# Altium PCB PCB.PcbDoc (part 4 of 4)
Units mm, origin at the board's own origin, x right, y up, seen from the top; angles counter-clockwise.
Board outline 71 x 50 mm, 6 copper layers (Top Layer, Int1 (GND), Int2 (Sign), Int3 (Sign), Int4 (PWR), Bottom Layer), stack 1.146 mm thick; 315 components, 294 nets, 1506 pads, 503 vias.
Unrouted connection lines stored in the file: 670.
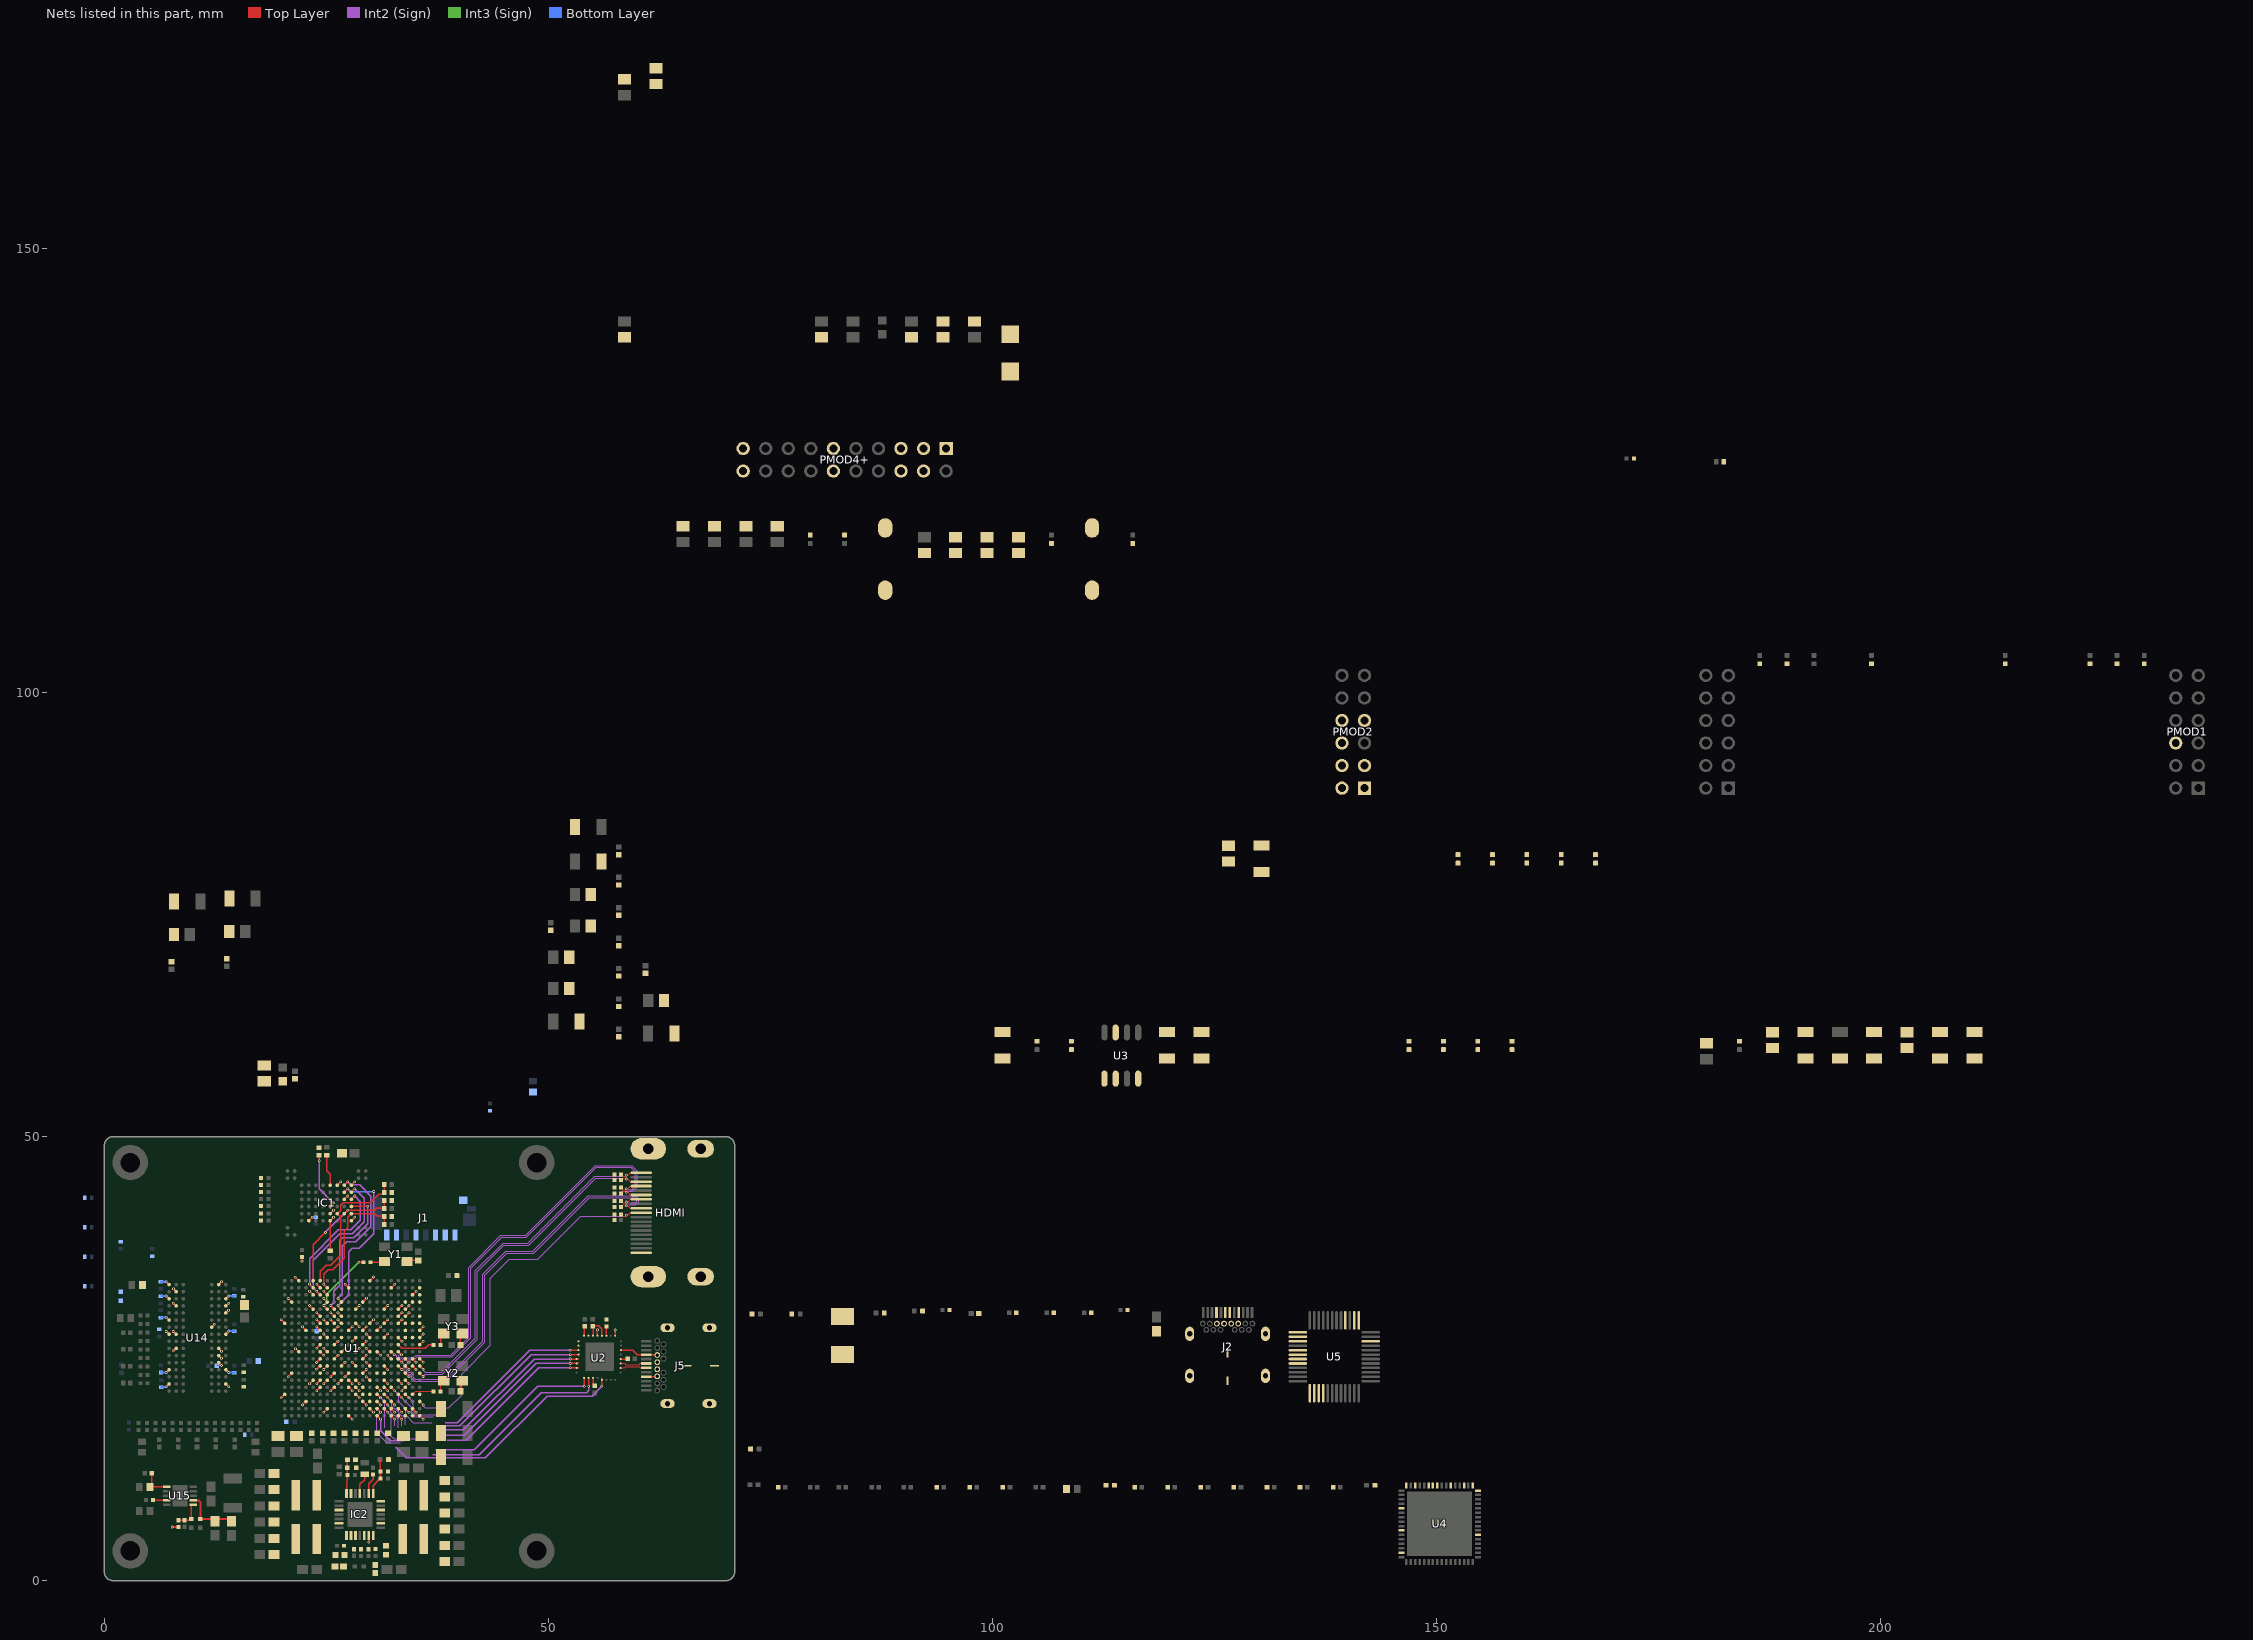
[diagram p8: the nets of this part, all layers, seen from the top]

## Via types
v1: diameter 0.3, hole 0.15, Top Layer to Bottom Layer, 451 vias
v2: diameter 0.6, hole 0.4, Top Layer to Bottom Layer, tented both sides, 32 vias
v3: diameter 0.5, hole 0.3, Top Layer to Bottom Layer, 16 vias
v4: diameter 0.5, hole 0.2, Top Layer to Bottom Layer, 4 vias

## Nets (pads, with @x,y where several pads share a name; then routed paths per layer and width w, separated by ;. In a path a pad name is that pad's centre, name@x,y a point inside that pad or via, vN(x,y) a via of type N, cw(c..) or ccw(c..) an arc to the next point about the centre after c; other vN are vias at no path point) (continued)
HDMI_CLK_P: HDMI.10 R45.1 U1.V20 | length 40.9
  Top Layer w0.092: R45.1@58.19,41.26 58.4,41.05 58.7,41.05 v1(58.79,41.14) 58.934,41.14 59.234,41.44 HDMI.10@60.48,41.44
  Top Layer w0.15: U1.V20@35.52,20.18 v1(35.92,19.78)
  Int2 (Sign) w0.082: v1(35.92,19.78) 35.92,19.72 36.17,19.47 38.81,19.47 40.241,20.901 40.241,23.261 43.501,26.521 43.501,34.076 45.605,36.18 48.805,36.18 53.669,41.044 58.694,41.044 v1(58.79,41.14)
HDMI_D0_N: HDMI.9 R36.1 U1.M18 | length 46
  Top Layer w0.092: R36.1@58.19,42.11 58.41,42.33 58.69,42.33 58.776,42.244 v1(58.776,42.235) ; v1@58.78,42.24 58.934,42.24 59.234,41.94 HDMI.9@60.48,41.94
  Top Layer w0.15: U1.M18@33.92,24.98 v1(34.32,24.58)
  Int2 (Sign) w0.082: v1(34.32,24.58) 34.264,24.58 34.024,24.34 34.024,23.675 34.22,23.48 34.538,23.48 34.83,23.187 34.83,22.884 35.034,22.68 38.37,22.68 42.63,26.94 42.63,34.505 45.224,37.099 48.279,37.099 54.519,43.339 59.826,43.339 60.179,42.986 60.179,42.639 59.873,42.333 58.874,42.333 v1(58.776,42.235)
HDMI_D0_P: HDMI.7 R35.1 U1.M17 | length 45.6
  Top Layer w0.092: R35.1@58.19,42.77 58.41,42.55 58.69,42.55 v1(58.78,42.64) 58.934,42.64 59.234,42.94 HDMI.7@60.48,42.94
  Top Layer w0.15: U1.M17@33.12,24.98 v1(33.52,24.58)
  Int2 (Sign) w0.082: v1(33.52,24.58) 33.575,24.58 33.815,24.34 33.815,23.589 34.133,23.271 34.451,23.271 34.622,23.101 34.622,22.797 34.948,22.471 35.39,22.471 35.4,22.481 36.03,22.481 36.04,22.471 38.456,22.471 42.839,26.854 42.839,34.419 45.31,36.89 48.365,36.89 54.605,43.13 59.74,43.13 59.97,42.9 59.97,42.725 59.787,42.542 58.878,42.542 v1(58.78,42.64)
HDMI_D1_N: HDMI.6 R41.1 U1.L17 | length 47.7
  Top Layer w0.092: R41.1@58.19,43.61 58.41,43.83 58.69,43.83 v1(58.78,43.74) 58.78,43.82 58.79,43.83 58.843,43.83 59.234,43.44 HDMI.6@60.48,43.44
  Top Layer w0.15: U1.L17@33.12,25.78 v1(33.471,25.429)
  Int2 (Sign) w0.082: v1(33.471,25.429) 33.249,25.429 33.15,25.33 33.15,25.1 33.161,25.089 34.824,25.089 35.145,25.41 39.04,25.41 41.061,27.431 41.061,35.266 44.685,38.89 47.465,38.89 55.324,46.749 59.396,46.749 60.039,46.106 60.039,44.384 59.491,43.836 58.876,43.836 v1(58.78,43.74)
HDMI_D1_P: HDMI.4 R39.1 U1.L16 | length 47.3
  Top Layer w0.092: R39.1@58.19,44.26 58.4,44.05 58.69,44.05 v1(58.78,44.14) 58.78,44.06 58.79,44.05 58.843,44.05 59.234,44.44 HDMI.4@60.48,44.44
  Top Layer w0.15: U1.L16@32.32,25.78 v1(32.671,25.429)
  Int2 (Sign) w0.082: v1(32.671,25.429) 32.842,25.429 32.941,25.33 32.941,25.014 33.074,24.881 34.911,24.881 35.231,25.201 39.126,25.201 41.27,27.345 41.27,35.18 44.771,38.681 47.551,38.681 55.41,46.54 59.31,46.54 59.83,46.02 59.83,44.47 59.404,44.044 58.876,44.044 v1(58.78,44.14)
HDMI_D2_N: HDMI.3 R44.1 U1.P20 | length 39.7
  Top Layer w0.092: R44.1@58.19,45.11 58.41,45.33 58.7,45.33 v1(58.79,45.24) 58.934,45.24 59.234,44.94 HDMI.3@60.48,44.94
  Top Layer w0.15: U1.P20@35.52,23.38 v1(35.91,22.99)
  Int2 (Sign) w0.082: v1(35.91,22.99) 35.91,23.011 36.16,23.261 38.046,23.261 42,27.215 42,34.791 45,37.791 47.791,37.791 55.336,45.336 58.694,45.336 v1(58.79,45.24)
HDMI_D2_P: HDMI.1 R43.1 U1.N20 | length 39.8
  Top Layer w0.092: R43.1@58.19,45.76 58.4,45.55 58.7,45.55 v1(58.79,45.64) 58.934,45.64 59.234,45.94 HDMI.1@60.48,45.94
  Top Layer w0.15: U1.N20@35.52,24.18 v1(35.91,23.79)
  Int2 (Sign) w0.082: v1(35.91,23.79) 35.91,23.72 36.16,23.47 37.96,23.47 41.791,27.301 41.791,34.878 44.914,38 47.705,38 55.249,45.544 58.694,45.544 v1(58.79,45.64)
IO0_0: IC1.H4 R129.1 R132.2 U1.A6 | length 16.5
  Top Layer w0.15: U1.A6@24.32,33.78 24.32,34.86 24.98,35.52 25.517,35.52 26.62,36.623 26.62,40.96 IC1.H4@26.24,41.34 26.62,41.72 26.62,42.257 26.913,42.55 29.95,42.55 30.92,43.52 31.325,43.52 R129.1@31.525,43.72 R132.2@31.525,44.62
IO1: PMOD2.4
IO1_0: IC1.J4 R71.1 R72.2 U1.A5 | length 15.2
  Top Layer w0.15: U1.A5@23.52,33.78 23.52,37.825 v1(24.915,39.22) ; IC1.J4@27.04,41.335 IC1.J4@27.04,41.34 27.42,41.72 30.42,41.72 30.62,41.92 R72.2@31.525,41.92 R71.1@31.525,42.82
  Int2 (Sign) w0.15: v1(24.915,39.22) v1(27.42,41.725)
IO2: PMOD2.2
IO2_0: IC1.K4 R131.1 R134.2 U1.B7 | length 14.8
  Top Layer w0.15: U1.B7@25.12,32.98 v1(24.72,33.38) 24.72,34.5 25.255,35.035 25.715,35.035 27.01,36.33 27.01,39.35 27.43,39.77 27.43,40.93 IC1.K4@27.84,41.34 30.49,41.34 30.81,41.02 R131.1@31.525,41.02 R134.2@31.525,40.12
IO3: PMOD2.1
IO3_0: IC1.K5 U1.E8 | length 16.1
  Top Layer w0.15: v1(25.52,30.98) U1.E8@25.92,30.58 ; IC1.K5@27.84,42.14 27.855,42.155 29.645,42.155 v1(29.66,42.17)
  Int2 (Sign) w0.15: v1(25.52,30.98) 25.84,31.3 25.84,32.606 26.505,33.271 26.505,38.365 26.78,38.64 28.12,38.64 29.66,40.18 v1(29.66,42.17)
IO4: PMOD2.3
IO4_0: IC1.K6 U1.B5 | length 14.5
  Top Layer w0.15: v1(23.12,33.38) U1.B5@23.52,32.98 ; IC1.K6@27.84,42.94 27.84,42.945 28.22,43.325 v1(28.22,43.33)
  Int2 (Sign) w0.15: v1(23.12,33.38) 23.12,36.27 26.38,39.53 27.79,39.53 28.86,40.6 28.86,42.69 v1(28.22,43.33)
IO5: PMOD2.5
IO5: U1.G18
IO5_0: IC1.J7 U1.E9 | length 19.1
  Top Layer w0.15: v1(26.32,30.98) U1.E9@26.72,30.58 ; IC1.J7@27.04,43.735 IC1.J7@27.04,43.74 27.42,44.12 v1(27.42,44.125)
  Int2 (Sign) w0.15: v1(26.32,30.98) 27.54,32.2 27.54,37.02 27.94,37.42 28.71,37.42 30.35,39.06 v1(30.35,43.82)
  Bottom Layer w0.15: v1(27.42,44.125) 27.745,43.8 30.33,43.8 v1(30.35,43.82)
IO6: U1.E19
IO6: PMOD2.7
IO6_0: IC1.K7 U1.C6 | length 16.5
  Top Layer w0.15: v1(23.92,32.58) U1.C6@24.32,32.18 ; IC1.K7@27.84,43.735 IC1.K7@27.84,43.74 28.22,44.12 v1(28.22,44.125)
  Int2 (Sign) w0.15: v1(23.92,32.58) 23.53,32.97 23.53,36.09 26.52,39.08 27.96,39.08 29.295,40.415 29.295,43.05 v1(28.22,44.125)
IO7_0: IC1.J8 U1.D9 | length 18.1
  Top Layer w0.15: v1(26.32,31.78) U1.D9@26.72,31.38 ; IC1.J8@27.04,44.535 IC1.J8@27.04,44.54 27.42,44.92 v1(27.42,44.925)
  Int2 (Sign) w0.15: v1(26.32,31.78) 26.83,32.29 26.83,37.69 27.29,38.15 28.34,38.15 30.03,39.84 30.03,43.31 28.77,44.57 27.775,44.57 v1(27.42,44.925)
JTAG_USBD_N: J2.A6 J2.B7 U5.6
JTAG_USBD_P: J2.A7 J2.B6 U5.7
LED0: LED0.A PMOD4+.2
LED0: U1.U20
LED1: LED1.A PMOD4+.1
LED2: LED2.A PMOD4+.4
LED3: U1.V17
LED3: LED3.A PMOD4+.3
NetBTN0_2: BTN0.2 R63.1 R65.2
NetBTN1_2: BTN1.2 R64.1 R66.2
NetC5_2: C5.2 U1.L9 | length 0.6
  Top Layer w0.15: U1.L9@26.73,25.79 v1(27.13,26.19)
NetC6_2: C6.2 J5.Shell R7.2
NetC20_1: C20.1 L2.1 U4.48
NetC21_1: C21.1 L2.2 U4.62
NetC22_1: C22.1 C23.1 C143.1 U4.15 U4.38
NetC39_1: C39.1 IC2.28 R83.1 R84.2 | length 3.8
  Top Layer w0.15: IC2.28@27.29,9.8 27.29,11.15 27.38,11.24 27.38,11.9 27.38,12.73 R83.1@27.38,13.61
NetC42_1: C42.1 HDMI.SH1 HDMI.SH2 HDMI.SH3 HDMI.SH4 R81.1
NetC50_1: C50.1 U1.J9
NetC90_1: C90.1 IC2.8 R85.1 R124.2
NetC94_1: C94.1 IC2.14 R130.1 R133.2
NetC119_1: C119.1 R121.2 R122.1 U15.1 | length 3.3
  Top Layer w0.15: R121.2@8.34,6.795 9.675,6.795 C119.1@9.82,6.94 9.82,8.495 9.885,8.56 U15.1@10.005,8.56
NetC142_2: C142.2 IC2.22 R135.1 R136.2 | length 4.2
  Top Layer w0.15: IC2.22@30.29,9.8 30.29,10.716 30.924,11.35 30.99,11.35 31.074,11.434 31.074,12.31 31.074,13.64
NetC144_2: C144.2 J2.Shell R11.2
NetC146_2: C146.2 U5.37
NetC147_2: C147.2 U5.38
NetD1_A: D1.A R12.1
NetD2_A: D2.A R10.1
NetD5_2: D5.2 R80.1
NetHDMI_19: HDMI.19 R79.1
NetIC1_G3: IC1.G3 R123.2 | length 4
  Top Layer w0.15: R123.2@25.46,37.135 25.44,37.155 IC1.G3@25.44,40.54 25.82,40.92 v1(25.82,40.925)
NetIC1_G5: IC1.G5 R48.1 | length 6.6
  Top Layer w0.15: R48.1@24.18,47.925 24.2,47.905 v1(24.2,47.28) ; IC1.G5@25.44,42.135 IC1.G5@25.44,42.14 25.82,42.52 v1(25.82,42.525)
  Int2 (Sign) w0.15: v1(24.2,47.28) 24.2,44.145 v1(25.82,42.525)
NetIC1_G8: IC1.G8 R50.2 | length 3.6
  Top Layer w0.15: R50.2@25.05,47.935 25.05,46.16 25.44,45.77 IC1.G8@25.44,44.54
NetIC2_3: IC2.3 L5.1
NetIC2_6: IC2.6 L6.1
NetIC2_16: IC2.16 L7.1
NetIC2_19: IC2.19 L8.1
NetIC2_25: IC2.25 R75.2 | length 2.4
  Top Layer w0.15: IC2.25@28.79,9.8 28.79,10.84 29.34,11.39 R75.2@29.34,11.97
NetJ1_G4: J1.G4 R92.1
NetLED0_K: LED0.K R67.2
NetLED1_K: LED1.K R68.2
NetLED2_K: LED2.K R69.2
NetLED3_K: LED3.K R70.2
NetR1_2: R1.2 Y1.3 | length 1.6
  Top Layer w0.092: Y1.3@31.46,35.86 Y1.3@31.56,35.96
  Top Layer w0.2: R1.2@29.98,35.86 Y1.3@31.46,35.86
NetR2_1: R2.1 U1.B10 | length 0.6
  Top Layer w0.15: v1(27.155,33.38) 27.155,33.362 27.52,32.997 U1.B10@27.52,32.98
NetR3_1: R3.1 R4.1 U1.E11 | length 0.6
  Top Layer w0.15: U1.E11@28.33,30.59 v1(28.73,30.99)
NetR5_1: R5.1 U1.R10 | length 0.6
  Top Layer w0.15: U1.R10@27.52,22.58 v1(27.92,22.18)
NetR6_2: R6.2 R12.2 U1.R11 | length 0.6
  Top Layer w0.15: U1.R11@28.32,22.58 v1(28.72,22.18)
NetR9_2: R9.2 U1.L6 | length 0.6
  Top Layer w0.15: U1.L6@24.33,25.77 v1(24.73,25.37)
NetR15_2: R15.2 U5.5
NetR30_1: R30.1 U3.1
NetR31_1: R31.1 R32.1 U3.7
NetR33_2: R33.2 U3.4
NetR56_2: R56.2 Y2.3 | length 1.4
  Top Layer w0.092: R56.2@37.89,21.32 37.89,22.07 Y2.3@38.34,22.52
NetR62_2: R62.2 Y3.3 | length 1.4
  Top Layer w0.15: R62.2@37.89,26.55 37.89,27.495 Y3.3@38.22,27.825
NetR113_2: R113.2 U14.L8 | length 0.4
  Top Layer w0.237: U14.L8@12.898,25.35 v1(13.207,25.042)
NetR120_2: R120.2 U15.9 | length 1.6
  Top Layer w0.15: R120.2@5.475,9.1 5.515,9.06 U15.9@7.055,9.06
OSC_I: C150.1 U5.1 Y4.2
OSC_O: C151.1 U5.2 Y4.1
P1_N: PMOD1.3
P1_N: U1.D20
P1_P: U1.D19
P2_N: PMOD1.4
P2_N: U1.B20
P2_P: PMOD1.2
P2_P: U1.C20
P3_N: PMOD1.7
P3_N: U1.G20
P3_P: PMOD1.5
P3_P: U1.G19
P4_N: PMOD1.8
P4_N: U1.F20
P4_P: U1.F19
P4_P: PMOD1.6
P5_N: U1.A20
P5_N: PMOD2.8
P5_P: U1.B19
P5_P: PMOD2.6
PG1: IC2.9 IC2.27 R76.2
PG2: IC2.10 IC2.13 IC2.21 R77.2 | length 0.8
  Top Layer w0.15: v1(29.79,4.33) IC2.13@29.79,5.1
PG3: IC2.12 R78.2
PG4: IC2.23 R82.2 | length 2.3
  Top Layer w0.15: IC2.23@29.79,9.8 29.79,10.94 30.29,11.44 R82.2@30.29,11.935
PSCLK: R1.1 U1.E7 | length 7.6
  Top Layer w0.15: v1(24.72,30.98) U1.E7@25.12,30.58 ; v1(28.66,35.86) R1.1@29.18,35.86
  Int3 (Sign) w0.15: v1(24.72,30.98) 25.059,31.319 25.059,32.259 v1(28.66,35.86)
Q1_N: PMOD4+.15
Q1_N: U1.U12
Q1_P: PMOD4+.16
Q1_P: U1.T12
Q2_N: PMOD4+.13
Q2_N: U1.V13
Q2_P: PMOD4+.14
Q2_P: U1.U13
Q3_N: PMOD4+.12
Q3_P: PMOD4+.11
Q4_N: PMOD4+.10
Q4_N: U1.Y19
Q4_P: PMOD4+.9
Q4_P: U1.Y18
REST: C149.2 R14.2 U5.34
RST.0: R32.2 U1.C7 | length 0.6
  Top Layer w0.15: v1(24.72,32.58) U1.C7@25.12,32.18
RY/#BY_0: IC1.C8 R52.1 | length 4.6
  Top Layer w0.15: R52.1@18.48,45.37 19.36,45.37 20.19,44.54 IC1.C8@22.24,44.54 22.62,44.92 v1(22.62,44.925)
RY/#BY_0: U1.C5 | length 0.6
  Top Layer w0.15: v1(23.12,32.58) U1.C5@23.52,32.18
SCK_B1: U1.V12 | length 0.6
  Top Layer w0.15: U1.V12@29.12,20.18 v1(29.52,19.78)
SCK_B2: U1.E17 | length 0.6
  Top Layer w0.15: U1.E17@33.13,30.59 v1(33.53,30.99)
SD_CMD: J1.P3 R90.1 U1.P18 | length 0.6
  Top Layer w0.15: U1.P18@33.92,23.38 33.925,23.38 34.325,22.98 v1(34.331,22.98)
SD_DAT0: J1.P7 R89.1 U1.N17 | length 0.6
  Top Layer w0.15: U1.N17@33.12,24.18 v1(33.52,23.78)
SD_DAT1: J1.P8 R88.1 U1.M19 | length 0.6
  Top Layer w0.15: U1.M19@34.72,24.98 v1(35.12,24.58)
SD_DAT2: J1.P1 R87.1 U1.R18 | length 0.6
  Top Layer w0.15: U1.R18@33.92,22.58 33.925,22.58 34.325,22.18 v1(34.331,22.18)
SD_DAT3: J1.P2 R86.1 U1.R17 | length 0.6
  Top Layer w0.15: U1.R17@33.12,22.58 v1(33.52,22.18)
SD_NCD: R91.1 R92.2 U1.M20 | length 0.6
  Top Layer w0.15: U1.M20@35.52,24.98 v1(35.92,24.58)
SD_SCK: J1.P5 U1.N18 | length 0.6
  Top Layer w0.15: U1.N18@33.92,24.18 33.925,24.18 34.325,23.78 v1(34.331,23.78)
SI_B1C1: U1.T15 | length 0.6
  Top Layer w0.15: U1.T15@31.52,21.78 v1(31.92,21.38)
SI_B1C3: U1.V16 | length 0.6
  Top Layer w0.15: U1.V16@32.32,20.18 v1(32.72,19.78)
SI_B1C4: U1.W19 | length 0.6
  Top Layer w0.15: U1.W19@34.72,19.38 v1(35.12,18.98)
SI_B2C1: U1.J15 | length 0.6
  Top Layer w0.15: U1.J15@31.53,27.39 v1(31.93,27.79)
SI_B2C2: U1.G17 | length 0.6
  Top Layer w0.15: U1.G17@33.13,28.99 v1(33.53,29.39)
SI_B2C3: U1.G15 | length 0.6
  Top Layer w0.15: U1.G15@31.53,28.99 v1(31.93,29.39)
SI_B2C4: U1.E18 | length 0.6
  Top Layer w0.15: U1.E18@33.93,30.59 v1(34.33,30.99)
SIO2_B1C2: U1.T10 | length 0.6
  Top Layer w0.15: U1.T10@27.52,21.78 v1(27.92,21.38)
SIO2_B1C3: U1.W13 | length 0.6
  Top Layer w0.15: U1.W13@29.92,19.38 v1(30.32,18.98)
SIO2_B2C1: U1.M14
SIO2_B2C1: R53.1
SIO2_B2C2: U1.P16
SIO2_B2C2: R54.1
SIO2_B2C3: U1.J14 U1.K14
SIO2_B2C3: R55.1
SIO2_B2C4: U1.H16
SIO2_B2C4: R57.1
SIO3_B1C3: U1.W18 | length 0.6
  Top Layer w0.15: U1.W18@33.92,19.38 v1(34.32,18.98)
SIO3_B2C1: U1.F16
SIO3_B2C1: R58.1
SIO3_B2C2: R59.1
SIO3_B2C2: U1.D18
SIO3_B2C3: U1.H15
SIO3_B2C3: R60.1
SIO3_B2C4: U1.J16
SIO3_B2C4: R61.1
SO_B1C1: U1.T14 | length 0.6
  Top Layer w0.15: U1.T14@30.72,21.78 v1(31.12,21.38)
SO_B1C2: U1.T11 | length 0.6
  Top Layer w0.15: U1.T11@28.32,21.78 v1(28.72,21.38)
SO_B1C4: U1.W16 | length 0.6
  Top Layer w0.15: U1.W16@32.32,19.38 v1(32.72,18.98)
SO_B2C1: U1.N15 | length 0.6
  Top Layer w0.15: U1.N15@31.53,24.17 v1(31.93,23.77)
SO_B2C2: U1.L14 | length 0.6
  Top Layer w0.15: U1.L14@30.73,25.77 v1(31.13,25.37)
SO_B2C4: U1.F17 | length 0.6
  Top Layer w0.15: U1.F17@33.13,29.79 v1(33.53,30.19)
SW0: U1.R19
SW0: PMOD4+.5
SW1: PMOD4+.6
SYSCLK: R56.1 U1.U19 | length 2.5
  Top Layer w0.092: U1.U19@34.72,20.98 35.069,21.329 36.028,21.329 36.037,21.32 R56.1@37.09,21.32
SYSCLK2: R62.1 U1.K17 | length 4.3
  Top Layer w0.15: U1.K17@33.12,26.58 33.498,26.202 36.182,26.202 36.53,26.55 R62.1@37.09,26.55
TCK: R25.1 U1.F9 | length 0.6
  Top Layer w0.15: v1(26.32,30.18) U1.F9@26.72,29.78
TCK_O: R25.2 U5.13
TDI: R21.1 U1.G6 | length 0.6
  Top Layer w0.15: v1(23.92,29.38) U1.G6@24.32,28.98
TDI_O: R21.2 U5.14
TDO: R26.1 U1.F6 | length 0.6
  Top Layer w0.15: v1(23.92,30.18) U1.F6@24.32,29.78
TDO_O: R26.2 U5.15
TMS: R24.1 U1.J6
TMS_O: R24.2 U5.16
UART_RX: U1.P14
UART_TX: U1.P15
USB0D__N: U4.58
USB0D__P: U4.59
USB_CLKOUT: U2.1
USB_DATA0: U1.Y14 U2.3 | length 23.4
  Top Layer w0.15: U1.Y14@30.72,18.58 v1(31.12,18.18) ; v1(52.48,25.96) U2.3@53.43,25.96
  Int2 (Sign) w0.15: v1(31.12,18.18) 31.12,16.86 32.235,15.745 33.735,15.745 ; 38.39,17.8 39.78,17.8 47.94,25.96 v1(52.48,25.96)
USB_DATA1: U1.T16 U2.4 | length 25.3
  Top Layer w0.15: U1.T16@32.32,21.78 v1(32.72,21.38) ; v1(52.48,25.46) U2.4@53.43,25.46
  Int2 (Sign) w0.1: v1(32.72,21.38) 33.15,20.95 33.15,20.15 33.95,19.35 33.95,18.678 34.818,17.81 36.91,17.81
  Int2 (Sign) w0.15: 38.5,17.44 40.06,17.44 48.08,25.46 v1(52.48,25.46)
USB_DATA2: U1.U17 U2.5 | length 23.7
  Top Layer w0.15: U1.U17@33.12,20.98 v1(33.52,20.58) ; v1(52.48,24.96) U2.5@53.21,24.96 53.43,24.96
  Int2 (Sign) w0.1: v1(33.52,20.58) 34.62,19.48 34.62,18.773 34.913,18.48 37.06,18.48
  Int2 (Sign) w0.15: 38.43,16.99 40.46,16.99 48.43,24.96 v1(52.48,24.96)
USB_DATA3: U1.V15 U2.6 | length 22
  Top Layer w0.15: U1.V15@31.52,20.18 v1(31.92,19.78) ; v1(52.48,24.46) 53.43,24.46
  Int2 (Sign) w0.1: v1(31.92,19.78) 32.145,19.555 32.145,19.542 32.27,19.417 32.27,18.97 32.598,18.643 32.717,18.643 33.11,18.25 33.11,17.22
  Int2 (Sign) w0.15: 38.48,16.36 40.53,16.36 48.63,24.46 v1(52.48,24.46)
USB_DATA4: U1.W15 U2.7 | length 24.5
  Top Layer w0.15: U1.W15@31.52,19.38 v1(31.92,18.98) ; v1(52.48,23.96) 53.43,23.96
  Int2 (Sign) w0.1: v1(31.92,18.98) 32.31,18.59 32.31,16.28 32.62,15.97 34.92,15.97 35,15.89
  Int2 (Sign) w0.15: 38.63,15.8 40.78,15.8 48.94,23.96 v1(52.48,23.96)
USB_DATA5: U1.U14 U2.9 | length 24.8
  Top Layer w0.15: U1.U14@30.72,20.98 v1(31.12,20.58) ; v1(54.05,21.89) U2.9@54.05,22.84
  Int2 (Sign) w0.1: v1(31.12,20.58) 31.59,20.11 31.59,17.2
  Int2 (Sign) w0.15: 37.33,14.72 41.66,14.72 48.83,21.89 v1(54.05,21.89)
USB_DATA6: U1.U15 U2.10 | length 26.5
  Top Layer w0.15: U1.U15@31.52,20.98 v1(31.92,20.58) ; v1(54.55,21.89) U2.10@54.55,22.84
  Int2 (Sign) w0.1: v1(31.92,20.58) 32.395,20.105 32.395,19.646 32.66,19.38 32.779,19.38 33.195,18.965 33.195,18.846 33.478,18.563 33.597,18.563 33.88,18.28 33.88,17.53
  Int2 (Sign) w0.15: 37,14.2 42.21,14.2 49.2,21.19 54.32,21.19 54.55,21.42 v1(54.55,21.89)
USB_DATA7: U1.U18 U2.13 | length 33.2
  Top Layer w0.15: U1.U18@33.92,20.98 v1(34.32,20.58) ; v1(56.05,21.89) U2.13@56.05,22.62 56.05,22.84
  Int2 (Sign) w0.1: v1(34.32,20.58) 34.82,20.08 34.82,18.856 34.996,18.68 37.391,18.68
  Int2 (Sign) w0.15: 32.81,15.04 34.02,13.83 42.92,13.83 49.87,20.78 54.94,20.78 v1(56.05,21.89)
USB_DIR: U1.Y17 U2.31 | length 1.3
  Top Layer w0.15: U1.Y17@33.12,18.58 v1(33.52,18.18)
  Int2 (Sign) w0.1: 33.52,17.4 v1(33.52,18.18)
USB_NXT: U1.Y16 U2.2 | length 1.3
  Top Layer w0.15: U1.Y16@32.32,18.58 v1(32.72,18.18)
  Int2 (Sign) w0.1: 32.72,17.44 v1(32.72,18.18)
USB_RST: R74.1 U2.27 | length 1.1
  Top Layer w0.15: U2.27@56.55,27.58 R74.1@56.55,28.65
USB_STP: U1.W14 U2.29 | length 6.8
  Top Layer w0.15: U1.W14@30.72,19.38 v1(31.12,18.98) ; U2.29@55.55,27.593 v1(55.55,28.25)
  Int2 (Sign) w0.1: v1(31.12,18.98) 30.7,18.56 30.7,16.64 31.82,15.52 33.32,15.52
USB_XO: U2.25 | length 0.7
  Top Layer w0.15: U2.25@57.55,27.58 v1(57.55,28.237)
USBD2_N: U1.H20 | length 0.6
  Top Layer w0.15: U1.H20@35.52,28.18 v1(35.92,28.58)
USBD2_P: U1.J20 | length 0.6
  Top Layer w0.15: U1.J20@35.52,27.38 v1(35.92,27.78)
USBD_N: J5.A7 J5.B7 U2.19 | length 3
  Top Layer w0.092: U2.19@58.17,24.46 58.621,24.46 58.761,24.32 60.253,24.32 60.394,24.46 J5.A7@61.04,24.46
USBD_P: J5.A6 J5.B6 U2.18 | length 3
  Top Layer w0.092: U2.18@58.17,23.96 58.621,23.96 58.761,24.1 60.254,24.1 60.394,23.96 J5.A6@61.04,23.96
USBnINT: U1.H18
USBRXD: U1.J19
USBTXD: U1.J18
VCC1V0: C36.1 C37.1 C38.1 C39.2 C43.1 C44.1 C45.1 C46.1 C47.1 C48.1 C49.1 C54.1 C55.1 C56.1 C57.1 C58.1 C65.2 C66.2 C67.2 L5.2 R83.2 U1.G7 U1.G11 U1.G13 U1.H10 U1.H12 U1.J7 U1.J13 U1.K12 U1.L7 U1.L13 U1.M12 U1.N7 U1.N13 U1.P8 U1.P12 U1.R7 U1.R13 | length 9.6
  Top Layer w0.15: v1(24.72,22.18) U1.R7@25.12,22.58 ; v1(24.72,23.78) U1.N7@25.12,24.18 ; v1(24.72,26.18) U1.L7@25.12,25.78 ; v1(24.72,27.78) U1.J7@25.12,27.38 ; v1(24.72,29.38) U1.G7@25.12,28.98 ; v1(25.52,22.98) U1.P8@25.92,23.38 ; U1.H10@27.52,28.18 v1(27.92,28.58) ; U1.G11@28.32,28.98 v1(28.72,28.58) ; U1.P12@29.12,23.38 v1(29.52,23.78) ; U1.M12@29.12,24.98 v1(29.52,25.38) ; U1.K12@29.12,26.58 v1(29.52,26.98) ; U1.H12@29.12,28.18 v1(29.52,28.58) ; v1(29.52,22.98) U1.R13@29.92,22.58 ; v1(29.52,24.58) U1.N13@29.92,24.18 ; v1(29.52,26.18) U1.L13@29.92,25.78 ; v1(29.52,27.78) U1.J13@29.92,27.38 ; U1.G13@29.92,28.98 v1(30.32,29.38)
VCC1V5: C87.1 C88.1 C89.1 C90.2 C96.1 C114.1 C115.1 C116.1 C117.1 C118.1 C121.1 C122.1 C123.1 C124.1 C125.1 C126.1 C127.1 C128.1 C129.1 C130.1 C131.1 C132.1 C133.1 C134.1 C135.1 C136.1 C137.1 C138.1 C139.1 L6.2 R85.2 R121.1 U14.A1 U14.A8 U14.B2 U14.C1 U14.C9 U14.D2 U14.D9 U14.E9 U14.F1 U14.G7 U14.H2 U14.H9 U14.K2 U14.K8 U14.N1 U14.N9 U14.R1 U14.R9 U15.2 | length 20.1
  Top Layer w0.237: v1(6.99,21.842) U14.R1@7.298,22.15 ; v1(6.99,23.442) U14.N1@7.298,23.75 ; v1(6.99,32.058) U14.C1@7.298,31.75 ; v1(6.99,33.658) U14.A1@7.298,33.35 ; v1(6.999,29.658) 6.999,29.654 7.298,29.355 U14.F1@7.298,29.35 ; v1(7.659,6.045) R121.1@8.34,6.045 ; v1(7.786,28.058) 7.788,28.058 8.097,27.75 U14.H2@8.098,27.75 ; v1(7.79,25.873) 7.806,25.873 8.082,26.15 U14.K2@8.098,26.15 ; v1(7.79,31.258) U14.D2@8.098,30.95 ; v1(7.793,32.858) v1(7.793,32.858) U14.B2@8.098,32.55 U14.B2@8.098,32.55 ; U15.2@10.005,9.06 10.027,9.038 10.652,9.038 10.82,8.87 C118.1@10.82,6.94 14.07,6.94 C122.1@14.32,6.69 ; U14.G7@12.098,28.55 v1(12.407,28.858) ; U14.K8@12.898,26.15 v1(13.207,25.842) ; U14.A8@12.898,33.35 v1(13.207,33.658) ; U14.R9@13.698,22.15 U14.R9@13.698,22.15 v1(14.007,21.845) v1(14.007,21.845) ; U14.N9@13.698,23.75 13.698,23.746 14.007,23.438 v1(14.007,23.434) ; U14.H9@13.698,27.75 13.698,27.784 14.007,28.093 v1(14.007,28.11) ; U14.E9@13.698,30.15 13.698,30.153 14.002,30.456 v1(14.002,30.459) ; U14.D9@13.698,30.95 v1(14.007,31.258) ; U14.C9@13.698,31.75 v1(14.007,32.058)
  Bottom Layer w0.237: C126.1@6.37,29.63 6.386,29.646 6.987,29.646 v1(6.999,29.658) ; C129.1@6.37,32.04 6.379,32.049 6.981,32.049 v1(6.99,32.058) ; C117.1@6.38,33.67 6.386,33.664 6.984,33.664 v1(6.99,33.658) ; C134.1@6.391,23.441 v1@6.989,23.441 ; C127.1@6.4,21.76 6.469,21.829 6.978,21.829 v1(6.99,21.842) ; v1(14.007,23.434) 14.019,23.422 14.638,23.422 C116.1@14.66,23.4 ; v1(14.007,28.11) 14.019,28.098 14.642,28.098 C135.1@14.66,28.08 ; v1(14.007,32.058) 14.019,32.071 14.641,32.071 C132.1@14.66,32.09
VCC1V8: C51.2 C52.2 C53.2 C59.2 C60.2 C61.2 C91.1 C92.1 C93.1 C94.2 FB3.2 L7.2 R130.2 U1.A3 U1.D2 U1.E5 U1.F8 U1.G1 U1.G9 U1.H4 U1.H8 U1.J11 U1.K8 U1.L3 U1.L11 U1.M8 U1.N9 U1.N11 U1.P2 U1.P10 U1.R5 U1.R9 U1.U1 U1.V4 | length 11.8
  Top Layer w0.15: v1(19.92,20.58) U1.U1@20.32,20.98 ; v1(19.92,29.38) U1.G1@20.32,28.98 ; v1(20.72,22.98) U1.P2@21.12,23.38 ; v1(20.72,31.78) U1.D2@21.12,31.38 ; v1(21.52,34.18) U1.A3@21.92,33.78 ; v1(21.54,26.12) 21.56,26.12 21.9,25.78 U1.L3@21.92,25.78 ; v1(22.32,19.78) U1.V4@22.72,20.18 ; v1(22.325,28.58) 22.325,28.577 22.72,28.182 U1.H4@22.72,28.18 ; v1(23.12,22.18) U1.R5@23.52,22.58 ; v1(23.12,30.98) U1.E5@23.52,30.58 ; v1(25.52,30.18) U1.F8@25.92,29.78 ; U1.M8@25.92,24.98 v1(26.32,25.38) ; U1.K8@25.92,26.58 v1(26.32,26.98) ; U1.H8@25.92,28.18 v1(26.32,28.58) ; v1(26.32,22.18) U1.R9@26.72,22.58 ; v1(26.32,29.38) U1.G9@26.72,28.98 ; U1.N9@26.72,24.18 v1(27.12,24.58) ; v1(27.12,22.98) U1.P10@27.52,23.38 ; v1(27.92,24.58) U1.N11@28.32,24.18 ; v1(27.92,26.98) U1.J11@28.32,27.38 ; U1.L11@28.32,25.78 v1(28.72,26.18)
VCC3V3: C8.1 C9.1 C10.1 C11.1 C12.1 C120.1 C142.1 J1.P4 L1.1 PMOD1.11 PMOD1.12 PMOD2.11 PMOD2.12 PMOD3.11 PMOD3.12 R8.2 R14.1 R120.1 U4.19 U4.27 U4.33 U4.39 U4.46 U5.12 U5.24 U5.46 U15.7 U15.10 | length 7
  Top Layer w0.15: U15.10@7.055,8.56 7.055,7.928 6.967,7.84 C120.1@5.15,7.84 5.15,8.625 R120.1@4.675,9.1 4.825,9.25 4.825,9.585 4.93,9.69 v1(5.99,9.69) 6.36,10.06 U15.7@7.055,10.06
VCC3V3: BTN0.1 BTN1.1 C1.2 C2.2 C3.2 C7.2 C24.1 C25.1 C26.1 C27.1 C31.2 C62.1 C63.1 C64.1 C68.2 C69.1 C70.1 C71.1 C72.1 C73.1 C74.1 C75.1 C76.1 C77.1 C78.1 C79.1 C80.1 C81.1 C82.1 C95.1 C140.1 C141.1 IC1.D3 IC1.G4 IC1.H8 IC1.J6 IC1.K3 IC1.K8 L8.2 PMOD4+.19 PMOD4+.20 R2.2 R3.2 R5.2 R6.1 R9.1 R10.2 R13.2 R30.2 R31.2 R33.1 R35.2 R36.2 R39.2 R41.2 R43.2 R44.2 R45.2 R46.2 R48.2 R51.2 R52.2 R71.2 R74.2 R86.2 R87.2 R88.2 R89.2 R90.2 R91.2 R125.2 R126.2 R127.2 R128.2 R129.2 R131.2 R135.2 U1.A13 U1.B6 U1.B16 U1.C19 U1.D7 U1.D12 U1.E15 U1.F18 U1.H14 U1.J17 U1.K6 U1.K20 U1.M6 U1.M16 U1.N6 U1.N19 U1.R6 U1.R15 U1.T6 U1.T8 U1.T18 U1.U11 U1.V14 U1.W7 U1.W17 U1.Y10 U1.Y20 U2.20 U3.2 Y1.4 Y2.4 Y3.4 | length 24.3
  Top Layer w0.15: v1(22.28,35.99) R128.2@22.28,36.46 ; IC1.D3@23.04,40.535 IC1.D3@23.04,40.54 23.42,40.92 v1(23.42,40.925) ; v1(23.889,23.816) 23.923,23.816 24.286,24.18 U1.N6@24.32,24.18 ; v1(23.91,24.57) U1.M6@24.31,24.97 ; v1(23.92,21.38) U1.T6@24.32,21.78 ; v1(23.92,22.18) U1.R6@24.32,22.58 ; v1(23.92,26.18) U1.K6@24.32,26.58 ; v1(23.92,33.38) U1.B6@24.32,32.98 ; v1(24.72,18.98) U1.W7@25.12,19.38 ; v1(24.72,31.78) U1.D7@25.12,31.38 ; IC1.G4@25.44,41.335 IC1.G4@25.44,41.34 25.82,41.72 v1(25.82,41.725) ; v1(25.52,21.38) U1.T8@25.92,21.78 ; IC1.H8@26.24,44.535 IC1.H8@26.24,44.54 26.62,44.92 v1(26.62,44.925) ; IC1.J6@27.04,42.94 27.04,42.945 27.42,43.325 v1(27.42,43.33) ; U1.Y10@27.52,18.58 v1(27.92,18.18) ; IC1.K3@27.84,40.535 IC1.K3@27.84,40.54 28.22,40.92 v1(28.22,40.925) ; IC1.K8@27.84,44.535 IC1.K8@27.84,44.54 28.22,44.92 v1(28.22,44.925) ; U1.U11@28.32,20.98 v1(28.72,20.58) ; U1.D12@29.13,31.39 v1(29.53,31.79) ; U1.A13@29.93,33.79 v1(30.33,34.19) ; U1.V14@30.72,20.18 v1(31.12,19.78) ; U1.H14@30.73,28.19 v1(31.13,28.59) ; U1.R15@31.53,22.57 v1(31.93,22.17) ; U1.E15@31.53,30.59 v1(31.93,30.99) ; v1(31.92,25.38) U1.M16@32.32,24.98 ; U1.B16@32.33,32.99 v1(32.73,33.39) ; U1.W17@33.12,19.38 v1(33.52,18.98) ; U1.J17@33.13,27.37 v1(33.53,26.97) ; v1(33.51,21.37) U1.T18@33.91,21.77 ; U1.F18@33.93,29.79 v1(34.33,30.19) ; Y1.4@34.1,35.96 34.2,36.06 C1.2@35.37,36.06 ; U1.N19@34.72,24.18 v1(35.12,23.78) ; U1.C19@34.73,32.19 v1(35.13,32.59) ; U1.Y20@35.52,18.58 v1(35.92,18.18) ; U1.K20@35.52,26.58 v1(35.92,26.98) ; C3.2@40.12,21.33 40.12,22.2 Y2.4@40.44,22.52 ; C2.2@40.12,26.54 40.12,27.625 Y3.4@40.32,27.825 ; U2.20@58.17,24.96 58.94,24.96 C31.2@58.96,24.98
  Bottom Layer w0.15: v1(23.42,40.925) 23.427,40.932 23.833,40.932 C26.1@23.84,40.94
VCC5V: C145.1 C148.2 D5.1 FB1.2 J2.A4 J2.A9 J2.B4 J2.B9 J5.A4 J5.A9 J5.B4 J5.B9 L3.1 R79.2 U2.22 U5.40 | length 5.6
  Top Layer w0.15: U2.22@58.183,25.96 59.51,25.96 60.01,25.46 J5.A9@61.04,25.46 61.065,25.435 62.265,25.435 J5.B4@62.29,25.41 ; J5.A4@61.04,22.96 61.065,22.985 62.265,22.985 J5.B9@62.29,23.01
VCCPLL: C83.2 C84.2 FB3.1 U1.G8 | length 0.6
  Top Layer w0.15: v1(25.51,29.39) U1.G8@25.91,28.99
VDD1V8: C28.1 C29.1 C30.2 U2.11 U2.28 U2.30 U2.32 | length 5.1
  Top Layer w0.15: U2.32@54.05,27.593 54.05,28.59 C29.1@54.1,28.64 ; U2.11@55.05,22.84 55.05,22.13 C30.2@55.25,21.93 ; U2.30@55.05,27.593 55.05,28.7 55.04,28.71 55.72,28.71 56.05,28.38 U2.28@56.05,27.58
VDD33A: C13.1 C14.1 C15.1 C16.1 C17.1 C18.1 C19.1 L1.2 U4.5 U4.10 U4.49 U4.51 U4.54 U4.57 U4.64
VPHY: U5.3
VPLL: U5.8
VTTREF: C85.1 C86.1 C96.2 C97.1 C110.1 C111.1 U1.H6 U1.P6 U14.H1 U14.M8 U15.6 | length 6
  Top Layer w0.15: C111.1@5.35,12.1 5.35,10.77 C110.1@5.15,10.57 5.16,10.56 U15.6@7.055,10.56 ; v1(23.92,28.58) U1.H6@24.32,28.18
  Top Layer w0.237: v1(6.999,28.058) 6.999,28.054 7.298,27.755 U14.H1@7.298,27.75 ; U14.M8@12.898,24.55 v1(13.207,24.24)
  Bottom Layer w0.15: C97.1@12.69,24.21 12.72,24.24 v1(13.207,24.24) ; v1(23.92,28.58) 23.92,28.08 C86.1@23.93,28.07
pads on no net: C5.1 HDMI.13 HDMI.14 HDMI.15 HDMI.16 IC1.A1 IC1.A2 IC1.A9 IC1.A10 IC1.B1 IC1.B9 IC1.B10 IC1.D6 IC1.D7 IC1.D8 IC1.E3 IC1.E4 IC1.E5 IC1.E6 IC1.E7 IC1.E8 IC1.F3 IC1.F4 IC1.F5 IC1.F6 IC1.F8 IC1.G6 IC1.G7 IC1.H3 IC1.H5 IC1.H6 IC1.H7 IC1.J3 IC1.J5 IC1.L1 IC1.L2 IC1.L9 IC1.L10 IC1.M1 IC1.M2 IC1.M9 IC1.M10 J1.G3 J2.A2 J2.A3 J2.A5 J2.A8 J2.A10 J2.A11 J2.B2 J2.B3 J2.B5 J2.B8 J2.B10 J2.B11 J5.A2 J5.A3 J5.A5 J5.A8 J5.A10 J5.A11 J5.B2 J5.B3 J5.B5 J5.B8 J5.B10 J5.B11 M1.1 M2.1 M3.1 M4.1 PMOD1.1 PMOD1.9 PMOD1.10 PMOD2.9 PMOD2.10 PMOD3.9 PMOD3.10 U1.A7 U1.A9 U1.A10 U1.A11 U1.A12 U1.A14 U1.A15 U1.A16 U1.A17 U1.A19 U1.B9 U1.B12 U1.B13 U1.B14 U1.B15 U1.B17 U1.B18 U1.C8 U1.C10 U1.C11 U1.C12 U1.C13 U1.C15 U1.C16 U1.C17 U1.C18 U1.D10 U1.D11 U1.D13 U1.D14 U1.D15 U1.D16 U1.E12 U1.E13 U1.E14 U1.E16 U1.F12 U1.F13 U1.F14 U1.F15 U1.G5 U1.H5 U1.H17 U1.K10 U1.K16 U1.K18 U1.K19 U1.L15 U1.M15 U1.N16 U1.P1 U1.P3 U1.P19 U1.R1 U1.R2 U1.R3 U1.T1 U1.T2 U1.T4 U1.T5 U1.T9 U1.T19 U1.T20 U1.U2 U1.U3 U1.U4 U1.U5 U1.U7 U1.U8 U1.U9 U1.U10 U1.V1 U1.V2 U1.V3 U1.V5 U1.V6 U1.V7 U1.V8 U1.V10 U1.V11 U1.W1 U1.W3 U1.W4 U1.W5 U1.W6 U1.W8 U1.W9 U1.W10 U1.W11 U1.Y1 U1.Y2 U1.Y3 U1.Y4 U1.Y6 U1.Y7 U1.Y8 U1.Y9 U1.Y11 U1.Y12 U1.Y13 U2.12 U2.15 U2.16 U2.17 U2.21 U2.23 U2.24 U2.26 U3.5 U3.6 U3.8 U4.1 U4.2 U4.3 U4.4 U4.6 U4.7 U4.8 U4.9 U4.12 U4.13 U4.14 U4.16 U4.17 U4.18 U4.20 U4.21 U4.22 U4.23 U4.24 U4.25 U4.26 U4.28 U4.29 U4.30 U4.31 U4.32 U4.34 U4.35 U4.36 U4.37 U4.40 U4.41 U4.42 U4.43 U4.44 U4.45 U4.47 U4.50 U4.52 U4.53 U4.55 U4.56 U4.60 U4.61 U4.63 U5.17 U5.18 U5.19 U5.20 U5.21 U5.25 U5.26 U5.27 U5.28 U5.29 U5.30 U5.31 U5.32 U5.33 U5.39 U5.43 U5.44 U5.45 U14.J1 U14.J9 U14.L1 U14.L9 U14.M7 Y1.1 Y2.1 Y3.1
copper on no net: | length 0.4
  Top Layer w0.237: 13.698,25.35 v1(14.007,25.042)
  other v2: 2.93,1.75 48.72,1.75 1.799,2.219 4.061,2.219 47.589,2.219 49.851,2.219 1.33,3.35 4.53,3.35 47.12,3.35 50.32,3.35 1.799,4.481 4.061,4.481 47.589,4.481 49.851,4.481 2.93,4.95 48.72,4.95 2.93,45.49 48.72,45.49 1.799,45.959 4.061,45.959 47.589,45.959 49.851,45.959 1.33,47.09 4.53,47.09 47.12,47.09 50.32,47.09 1.799,48.221 4.061,48.221 47.589,48.221 49.851,48.221 2.93,48.69 48.72,48.69

## Polygon pours and split planes (outlines as drawn)
GND on Int1 (GND) (split plane): 70.096,49.482 70.188,49.454 70.273,49.409 70.348,49.348 70.409,49.273 70.454,49.188 70.482,49.096 70.491,49.012 70.49,49 70.49,1 70.491,0.988 70.482,0.904 70.454,0.812 70.409,0.727 70.348,0.652 70.273,0.591 70.188,0.546 70.096,0.518 70.012,0.509 70,0.51 1,0.51 0.988,0.509 0.904,0.518 0.812,0.546 0.727,0.591 0.652,0.652 0.591,0.727 0.546,0.812 0.518,0.904 0.509,0.988 0.51,1 0.51,49 0.509,49.012 0.518,49.096 0.546,49.188 0.591,49.273 0.652,49.348 0.727,49.409 0.812,49.454 0.904,49.482 0.988,49.491 1,49.49 70,49.49 70.012,49.491
no net on Int4 (PWR) (split plane): 70.096,49.482 70.188,49.454 70.273,49.409 70.348,49.348 70.409,49.273 70.454,49.188 70.482,49.096 70.491,49.012 70.49,49 70.49,1 70.491,0.988 70.482,0.904 70.454,0.812 70.409,0.727 70.348,0.652 70.273,0.591 70.188,0.546 70.096,0.518 70.012,0.509 70,0.51 1,0.51 0.988,0.509 0.904,0.518 0.812,0.546 0.727,0.591 0.652,0.652 0.591,0.727 0.546,0.812 0.518,0.904 0.509,0.988 0.51,1 0.51,49 0.509,49.012 0.518,49.096 0.546,49.188 0.591,49.273 0.652,49.348 0.727,49.409 0.812,49.454 0.904,49.482 0.988,49.491 1,49.49 70,49.49 70.012,49.491
SIO3_B2C4 on Int4 (PWR) (split plane): 19.339,19.561 9.464,9.686 9.453,9.67 9.449,9.65 9.449,7.271 6.781,7.271 6.781,9.89 6.777,9.91 6.773,9.916 6.766,9.926 2.441,14.251 2.441,34.339 19.339,34.339
SIO3_B2C3 on Int4 (PWR) (split plane): 22.569,34.189 22.569,32.21 22.573,32.19 22.584,32.174 23.814,30.944 23.83,30.933 23.85,30.929 26.219,30.929 27.488,29.66 27.064,29.236 27.053,29.22 27.049,29.2 27.049,28.16 27.053,28.14 27.064,28.124 27.374,27.814 27.39,27.803 27.41,27.799 28.099,27.799 28.134,27.764 28.279,27.619 28.279,24.191 26.08,24.191 26.064,24.188 25.996,24.256 25.991,24.259 25.991,29.07 25.987,29.09 25.983,29.096 25.976,29.106 25.386,29.696 25.37,29.707 25.35,29.711 24.05,29.711 24.03,29.707 24.014,29.696 23.894,29.576 23.883,29.56 23.879,29.54 23.879,22.41 23.883,22.39 23.894,22.374 24.224,22.044 24.24,22.033 24.26,22.029 25.45,22.029 25.47,22.033 25.486,22.044 26.521,23.079 28.179,23.079 29.199,22.059 29.199,16.541 25.024,12.366 25.013,12.35 25.009,12.33 25.009,7.241 16.001,7.241 16.001,16.069 19.446,19.514 19.457,19.53 19.461,19.55 19.461,34.569 19.531,34.639 22.119,34.639
USB0D__N on Int4 (PWR) (split plane): 30.749,29.239 30.749,22.47 30.749,10.681 29.824,9.756 27.794,7.726 27.329,7.261 25.111,7.261 25.111,12.309 29.286,16.484 29.293,16.494 29.297,16.5 29.301,16.52 29.301,22.08 29.297,22.1 29.286,22.116 28.236,23.166 28.22,23.177 28.2,23.181 26.5,23.181 26.48,23.177 26.464,23.166 25.429,22.131 24.281,22.131 23.981,22.431 23.981,29.519 24.071,29.609 25.329,29.609 25.889,29.049 25.889,24.2 25.893,24.18 25.904,24.164 25.92,24.153 25.94,24.149 25.956,24.152 26.024,24.084 26.034,24.077 26.04,24.073 26.06,24.069 26.08,24.073 26.096,24.084 26.101,24.089 28.3,24.089 28.32,24.093 28.336,24.104 28.366,24.134 28.377,24.15 28.381,24.17 28.381,27.64 28.377,27.66 28.366,27.676 28.206,27.836 28.156,27.886 28.14,27.897 28.12,27.901 27.431,27.901 27.151,28.181 27.151,29.179 27.581,29.609 30.379,29.609

## Other copper
Top Layer:
  region net VCC1V0: 18.513,7.92 22.08,7.92 22.08,11.32 20.81,12.59 18.503,12.59
  region net VCC1V5: 18.505,2.44 21.54,2.44 22.08,2.98 22.08,6.38 21.37,7.09 18.495,7.09
  region net NetIC2_19: 30.65,7.82 33.99,7.82 34.14,7.97 34.14,11.48 32.71,11.48 32.71,8.81 32.01,8.11 30.65,8.11
  region net NetIC2_16: 30.65,6.58 33.99,6.58 34.14,6.43 34.14,2.92 32.71,2.92 32.71,5.59 32.01,6.29 30.65,6.29
  region net NetIC2_3: 26.93,7.82 23.59,7.82 23.44,7.97 23.44,11.48 24.87,11.48 24.87,8.81 25.57,8.11 26.93,8.11
  region net NetIC2_6: 26.93,6.58 23.59,6.58 23.44,6.43 23.44,2.92 24.87,2.92 24.87,5.59 25.57,6.29 26.93,6.29
Int4 (PWR) (plane layer: these items are gaps in the copper):
  lines w0.1: 25.04,7.19 15.95,7.19 15.95,16.09 19.41,19.55 19.41,34.59 19.51,34.69 22.14,34.69 22.62,34.21 22.62,32.21 23.85,30.98 26.24,30.98 27.56,29.66 ; 27.56,29.66 30.4,29.66 30.8,29.26 30.8,22.47 30.8,10.66 29.86,9.72 27.83,7.69 27.35,7.21 25.06,7.21 25.06,12.33 29.25,16.52 29.25,22.08 28.2,23.13 26.5,23.13 25.45,22.08 24.26,22.08 23.93,22.41 23.93,29.54 24.05,29.66 25.35,29.66 25.94,29.07 25.94,24.2 25.96,24.22 26.06,24.12 26.08,24.14 28.3,24.14 28.33,24.17 28.33,27.64 28.17,27.8 28.12,27.85 27.41,27.85 27.1,28.16 27.1,29.2 27.56,29.66 ; 2.39,14.23 2.39,34.39 19.39,34.39 19.39,19.54 9.5,9.65 9.5,7.24 9.48,7.22 6.73,7.22 6.73,9.89 2.39,14.23

## Silkscreen, mask and mechanical layers (free items; w line width, h text height)
Top Overlay:
  the board outline again, w0.2

## Text inside footprints (layer, text, board x,y; h text height)
J2: Top 3D Body "PCB Edge" at 124.819,18.67 h0.61
J5: Top 3D Body "PCB Edge" at 72.57,22.51 h0.61 r90
PMOD1: Top Overlay "12" at 233.817,103.992 h0.76 r90; Top Overlay "1" at 236.357,105.008 h0.76 r90; Top Overlay "1" at 236.357,103.992 h0.76 r90; Top Overlay "1" at 236.357,86.72 h0.76 r90; Top Overlay "2" at 233.817,86.72 h0.76 r90
PMOD2: Top Overlay "12" at 139.908,103.992 h0.76 r90; Top Overlay "1" at 142.448,105.008 h0.76 r90; Top Overlay "1" at 142.448,103.992 h0.76 r90; Top Overlay "1" at 142.448,86.72 h0.76 r90; Top Overlay "2" at 139.908,86.72 h0.76 r90
PMOD3: Top Overlay "12" at 180.888,103.992 h0.76 r90; Top Overlay "1" at 183.428,105.008 h0.76 r90; Top Overlay "1" at 183.428,103.992 h0.76 r90; Top Overlay "1" at 183.428,86.72 h0.76 r90; Top Overlay "2" at 180.888,86.72 h0.76 r90
PMOD4+: Top Overlay "20" at 70.436,125.478 h0.76 r180; Top Overlay "19" at 70.436,128.018 h0.76 r180; Top Overlay "1" at 97.36,128.018 h0.76 r180; Top Overlay "2" at 97.36,125.478 h0.76 r180